# Altium PCB UmTRXv2.PcbDoc (part 9 of 25) (continued)
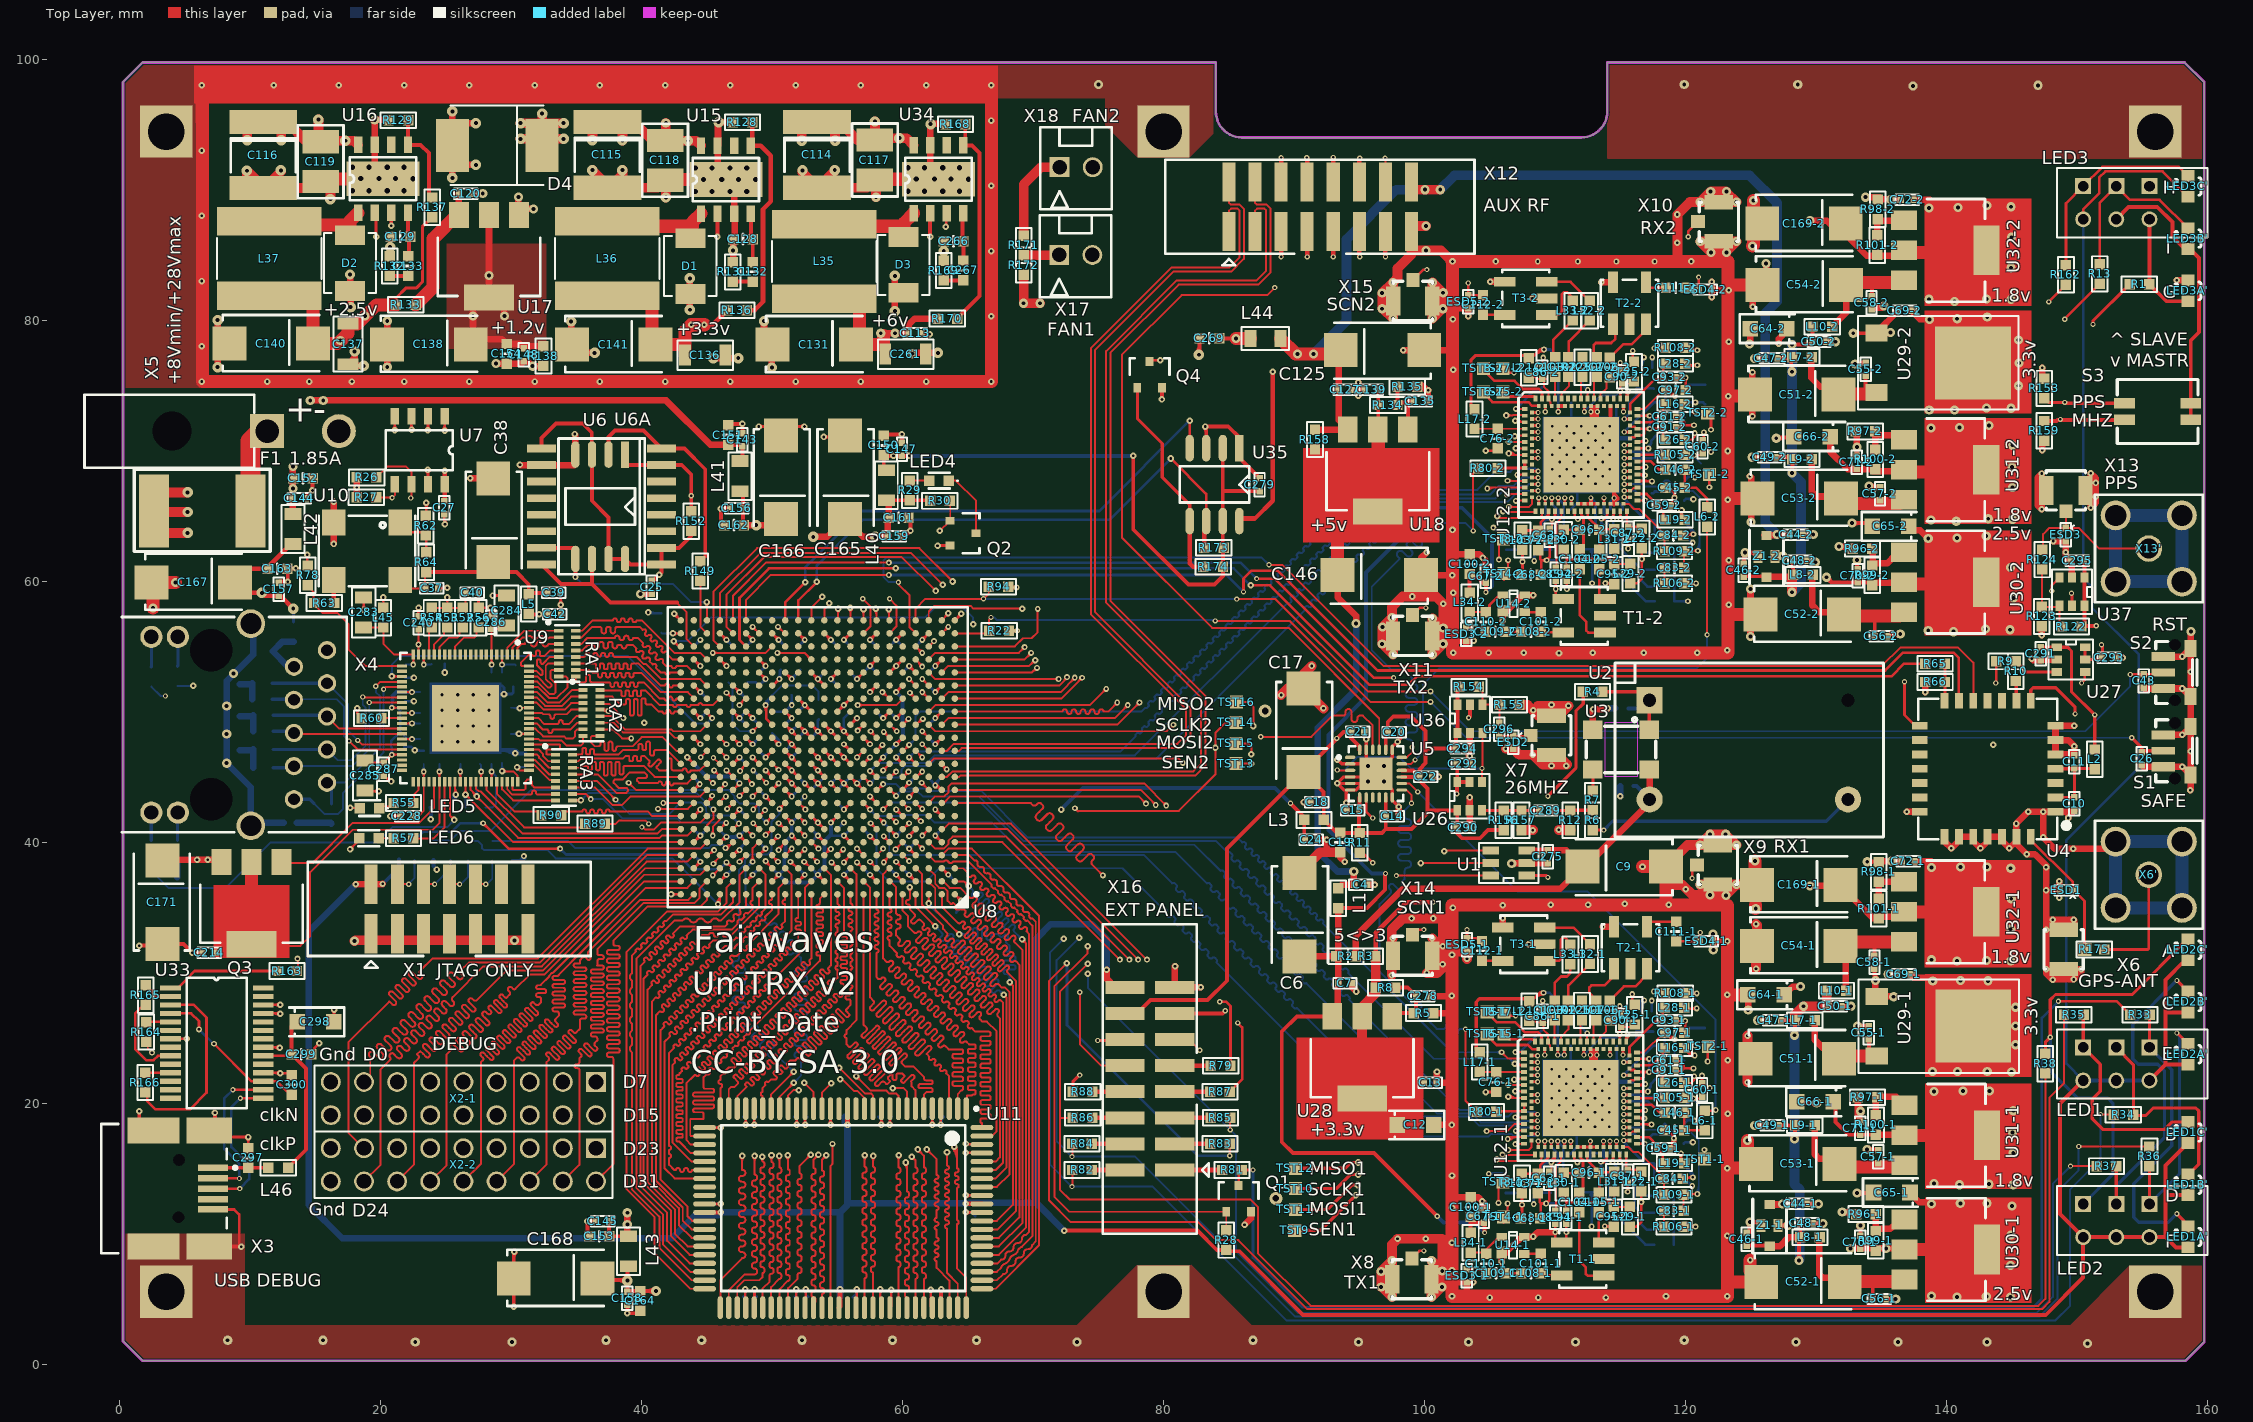
[diagram p0: Top Layer view]
## Nets (pads, with @x,y where several pads share a name; then routed paths per layer and width w, separated by ;. In a path a pad name is that pad's centre, name@x,y a point inside that pad or via, vN(x,y) a via of type N, cw(c..) or ccw(c..) an arc to the next point about the centre after c; other vN are vias at no path point) (continued)
ccw(c42.997,57.494) 42.749,57.251 ; v1@42.65,57.498 ccw(c42.997,57.494) 42.749,57.251 ; v1@42.65,57.498 ccw(c42.997,57.494) 42.749,57.251 ; v1@42.65,57.497 ccw(c42.992,57.492) 42.75,57.25 ; v1@42.65,57.497 ccw(c42.991,57.491) 42.75,57.25 ; v1@42.65,57.498 ccw(c42.997,57.494) 42.749,57.251 ; v1@42.65,57.498 ccw(c42.997,57.494) 42.749,57.251 ; v1@42.65,57.499 ccw(c43.002,57.496) 42.756,57.244 ; v1@42.65,57.499 ccw(c43.002,57.496) 42.756,57.244 ; v1@42.65,57.499 ccw(c43.002,57.496) 42.756,57.244 ; v1@42.65,57.5 ccw(c43.012,57.5) 42.756,57.244 ; v1@42.65,57.5 ccw(c43.012,57.5) 42.756,57.244 ; v1@42.65,57.5 ccw(c43.012,57.5) 42.756,57.244 ; v1@42.65,57.5 ccw(c43.012,57.5) 42.756,57.244 ; v1@42.65,57.5 ccw(c43.012,57.5) 42.756,57.244 ; 44.237,44.237 cw(c44.45,44.023) 44.45,44.325 ccw(c44.45,44.023) 44.237,44.237 ; 44.237,44.237 ccw(c44.023,44.45) 44.325,44.45 cw(c44.023,44.45) 44.237,44.237 ; 44.287,40.287 cw(c44.5,40.073) 44.5,40.375 ccw(c44.5,40.073) 44.287,40.287 ; 44.287,40.287 ccw(c44.073,40.5) 44.375,40.5 cw(c44.073,40.5) 44.287,40.287 ; 44.287,47.713 ccw(c44.5,47.927) 44.5,47.625 cw(c44.5,47.927) 44.287,47.713 ; 44.287,47.713 cw(c44.073,47.5) 44.375,47.5 ccw(c44.073,47.5) 44.287,47.713 ; 44.287,51.713 ccw(c44.5,51.927) 44.5,51.625 cw(c44.5,51.927) 44.287,51.713 ; 44.287,51.713 cw(c44.073,51.5) 44.375,51.5 ccw(c44.073,51.5) 44.287,51.713 ; 45.713,12.275 ccw(c45.713,12.637) v1@45.969,12.381 ; 45.713,12.275 ccw(c45.713,12.637) v1@45.969,12.381 ; 45.713,12.275 cw(c45.713,11.913) v1@45.969,12.169 ; 45.713,12.275 ccw(c45.713,12.637) v1@45.969,12.381 ; 45.713,12.275 cw(c45.713,11.913) v1@45.969,12.169 ; 45.713,12.275 cw(c45.713,11.913) v1@45.969,12.169 ; 45.713,18.125 ccw(c45.713,18.487) v1@45.969,18.231 ; 45.713,18.125 cw(c45.713,17.763) v1@45.969,18.019 ; 45.713,18.125 cw(c45.713,17.763) v1@45.969,18.019 ; 45.713,18.125 cw(c45.713,17.763) v1@45.969,18.019 ; 45.713,18.125 ccw(c45.713,18.487) v1@45.969,18.231 ; 45.713,18.125 ccw(c45.713,18.487) v1@45.969,18.231 ; 46.287,53.713 ccw(c46.5,53.927) 46.5,53.625 cw(c46.5,53.927) 46.287,53.713 ; 46.287,53.713 cw(c46.073,53.5) 46.375,53.5 ccw(c46.073,53.5) 46.287,53.713 ; 47.287,42.287 cw(c47.5,42.073) 47.5,42.375 ccw(c47.5,42.073) 47.287,42.287 ; 47.287,42.287 ccw(c47.073,42.5) 47.375,42.5 cw(c47.073,42.5) 47.287,42.287 ; 47.287,46.287 ccw(c47.073,46.5) 47.375,46.5 cw(c47.073,46.5) 47.287,46.287 ; 47.287,46.287 cw(c47.5,46.073) 47.5,46.375 ccw(c47.5,46.073) 47.287,46.287 ; 47.287,49.713 ccw(c47.5,49.927) 47.5,49.625 cw(c47.5,49.927) 47.287,49.713 ; 47.287,49.713 cw(c47.073,49.5) 47.375,49.5 ccw(c47.073,49.5) 47.287,49.713 ; 48.287,37.287 cw(c48.5,37.073) 48.5,37.375 ccw(c48.5,37.073) 48.287,37.287 ; 48.287,37.287 ccw(c48.073,37.5) 48.375,37.5 cw(c48.073,37.5) 48.287,37.287 ; 48.287,47.713 ccw(c48.5,47.927) 48.5,47.625 cw(c48.5,47.927) 48.287,47.713 ; 48.287,47.713 cw(c48.073,47.5) 48.375,47.5 ccw(c48.073,47.5) 48.287,47.713 ; 48.287,55.713 cw(c48.073,55.5) 48.375,55.5 ccw(c48.073,55.5) 48.287,55.713 ; 48.287,55.713 ccw(c48.5,55.927) 48.5,55.625 cw(c48.5,55.927) 48.287,55.713 ; v1@48.519,18.431 ccw(c48.263,18.687) 48.625,18.687 ; v1@48.519,18.431 ccw(c48.263,18.687) 48.625,18.687 ; v1@48.519,18.431 ccw(c48.263,18.687) 48.625,18.687 ; 48.625,18.687 ccw(c48.987,18.687) v1@48.731,18.431 ; 48.625,18.687 ccw(c48.987,18.687) v1@48.731,18.431 ; 48.625,18.687 ccw(c48.987,18.687) v1@48.731,18.431 ; v1@49.081,71.744 cw(c49.337,71.488) 49.337,71.85 ; v1@49.081,71.744 cw(c49.337,71.488) 49.337,71.85 ; v1@49.081,71.744 cw(c49.337,71.488) 49.337,71.85 ; v1@49.081,71.956 ccw(c49.337,72.212) 49.337,71.85 ; v1@49.081,71.956 ccw(c49.337,72.212) 49.337,71.85 ; v1@49.081,71.956 ccw(c49.337,72.212) 49.337,71.85 ; 49.287,53.713 ccw(c49.5,53.927) 49.5,53.625 cw(c49.5,53.927) 49.287,53.713 ; 49.287,53.713 cw(c49.073,53.5) 49.375,53.5 ccw(c49.073,53.5) 49.287,53.713 ; 50.237,40.237 ccw(c50.023,40.45) 50.325,40.45 cw(c50.023,40.45) 50.237,40.237 ; 50.237,40.237 cw(c50.45,40.023) 50.45,40.325 ccw(c50.45,40.023) 50.237,40.237 ; 50.287,44.287 cw(c50.5,44.073) 50.5,44.375 ccw(c50.5,44.073) 50.287,44.287 ; 50.287,44.287 ccw(c50.073,44.5) 50.375,44.5 cw(c50.073,44.5) 50.287,44.287 ; 51.287,44.713 ccw(c51.5,44.927) 51.5,44.625 cw(c51.5,44.927) 51.287,44.713 ; 51.287,44.713 cw(c51.073,44.5) 51.375,44.5 ccw(c51.073,44.5) 51.287,44.713 ; 51.287,46.713 ccw(c51.5,46.927) 51.5,46.625 cw(c51.5,46.927) 51.287,46.713 ; 51.287,46.713 cw(c51.073,46.5) 51.375,46.5 ccw(c51.073,46.5) 51.287,46.713 ; 51.287,48.713 ccw(c51.5,48.927) 51.5,48.625 cw(c51.5,48.927) 51.287,48.713 ; 51.287,48.713 cw(c51.073,48.5) 51.375,48.5 ccw(c51.073,48.5) 51.287,48.713 ; 51.287,52.713 ccw(c51.5,52.927) 51.5,52.625 cw(c51.5,52.927) 51.287,52.713 ; 51.287,52.713 cw(c51.073,52.5) 51.375,52.5 ccw(c51.073,52.5) 51.287,52.713 ; 51.713,44.287 cw(c51.927,44.5) 51.625,44.5 ccw(c51.927,44.5) 51.713,44.287 ; 51.713,44.287 ccw(c51.5,44.073) 51.5,44.375 cw(c51.5,44.073) 51.713,44.287 ; 51.713,46.287 ccw(c51.5,46.073) 51.5,46.375 cw(c51.5,46.073) 51.713,46.287 ; 51.713,46.287 cw(c51.927,46.5) 51.625,46.5 ccw(c51.927,46.5) 51.713,46.287 ; 51.713,48.287 cw(c51.927,48.5) 51.625,48.5 ccw(c51.927,48.5) 51.713,48.287 ; 51.713,48.287 ccw(c51.5,48.073) 51.5,48.375 cw(c51.5,48.073) 51.713,48.287 ; v1@51.769,18.431 ccw(c51.513,18.687) 51.875,18.687 ; v1@51.769,18.431 ccw(c51.513,18.687) 51.875,18.687 ; v1@51.769,18.431 ccw(c51.513,18.687) 51.875,18.687 ; 51.875,18.687 ccw(c52.237,18.687) v1@51.981,18.431 ; 51.875,18.687 ccw(c52.237,18.687) v1@51.981,18.431 ; 51.875,18.687 ccw(c52.237,18.687) v1@51.981,18.431 ; 52.113,71.85 ccw(c52.113,72.212) v1@52.369,71.956 ; 52.113,71.85 ccw(c52.113,72.212) v1@52.369,71.956 ; 52.113,71.85 ccw(c52.113,72.212) v1@52.369,71.956 ; 52.113,71.85 cw(c52.113,71.488) v1@52.369,71.744 ; 52.113,71.85 cw(c52.113,71.488) v1@52.369,71.744 ; 52.113,71.85 cw(c52.113,71.488) v1@52.369,71.744 ; 52.287,37.287 cw(c52.5,37.073) 52.5,37.375 ccw(c52.5,37.073) 52.287,37.287 ; 52.287,37.287 ccw(c52.073,37.5) 52.375,37.5 cw(c52.073,37.5) 52.287,37.287 ; 52.287,55.713 ccw(c52.5,55.927) 52.5,55.625 cw(c52.5,55.927) 52.287,55.713 ; 52.287,55.713 cw(c52.073,55.5) 52.375,55.5 ccw(c52.073,55.5) 52.287,55.713 ; 53.287,44.713 cw(c53.073,44.5) 53.375,44.5 ccw(c53.073,44.5) 53.287,44.713 ; 53.287,44.713 ccw(c53.5,44.927) 53.5,44.625 cw(c53.5,44.927) 53.287,44.713 ; 53.287,46.713 ccw(c53.5,46.927) 53.5,46.625 cw(c53.5,46.927) 53.287,46.713 ; 53.287,46.713 cw(c53.073,46.5) 53.375,46.5 ccw(c53.073,46.5) 53.287,46.713 ; 53.287,48.713 ccw(c53.5,48.927) 53.5,48.625 cw(c53.5,48.927) 53.287,48.713 ; 53.287,48.713 cw(c53.073,48.5) 53.375,48.5 ccw(c53.073,48.5) 53.287,48.713 ; 53.713,40.287 cw(c53.927,40.5) 53.625,40.5 ccw(c53.927,40.5) 53.713,40.287 ; 53.713,40.287 ccw(c53.5,40.073) 53.5,40.375 cw(c53.5,40.073) 53.713,40.287 ; 53.713,44.287 cw(c53.927,44.5) 53.625,44.5 ccw(c53.927,44.5) 53.713,44.287 ; 53.713,44.287 ccw(c53.5,44.073) 53.5,44.375 cw(c53.5,44.073) 53.713,44.287 ; 53.713,46.287 cw(c53.927,46.5) 53.625,46.5 ccw(c53.927,46.5) 53.713,46.287 ; 53.713,46.287 ccw(c53.5,46.073) 53.5,46.375 cw(c53.5,46.073) 53.713,46.287 ; 53.713,48.287 cw(c53.927,48.5) 53.625,48.5 ccw(c53.927,48.5) 53.713,48.287 ; 53.713,48.287 ccw(c53.5,48.073) 53.5,48.375 cw(c53.5,48.073) 53.713,48.287 ; v1@54.056,70.944 cw(c54.312,70.688) C165.2@54.312,71.05 ; v1@54.056,70.944 cw(c54.312,70.688) C165.2@54.312,71.05 ; v1@54.056,70.944 cw(c54.312,70.688) C165.2@54.312,71.05 ; v1@54.056,71.156 ccw(c54.312,71.412) C165.2@54.312,71.05 ; v1@54.056,71.156 ccw(c54.312,71.412) C165.2@54.312,71.05 ; v1@54.056,71.156 ccw(c54.312,71.412) C165.2@54.312,71.05 ; v1@54.369,18.431 ccw(c54.113,18.687) 54.475,18.687 ; v1@54.369,18.431 ccw(c54.113,18.687) 54.475,18.687 ; v1@54.369,18.431 ccw(c54.113,18.687) 54.475,18.687 ; 54.475,18.687 ccw(c54.837,18.687) v1@54.581,18.431 ; 54.475,18.687 ccw(c54.837,18.687) v1@54.581,18.431 ; 54.475,18.687 ccw(c54.837,18.687) v1@54.581,18.431 ; 54.713,52.713 ccw(c54.927,52.5) 54.625,52.5 cw(c54.927,52.5) 54.713,52.713 ; 54.713,52.713 cw(c54.5,52.927) 54.5,52.625 ccw(c54.5,52.927) 54.713,52.713 ; 55.287,44.713 ccw(c55.5,44.927) 55.5,44.625 cw(c55.5,44.927) 55.287,44.713 ; 55.287,44.713 cw(c55.073,44.5) 55.375,44.5 ccw(c55.073,44.5) 55.287,44.713 ; 55.287,46.713 ccw(c55.5,46.927) 55.5,46.625 cw(c55.5,46.927) 55.287,46.713 ; 55.287,46.713 cw(c55.073,46.5) 55.375,46.5 ccw(c55.073,46.5) 55.287,46.713 ; 55.287,48.713 ccw(c55.5,48.927) 55.5,48.625 cw(c55.5,48.927) 55.287,48.713 ; 55.287,48.713 cw(c55.073,48.5) 55.375,48.5 ccw(c55.073,48.5) 55.287,48.713 ; 55.713,37.287 cw(c55.927,37.5) 55.625,37.5 ccw(c55.927,37.5) 55.713,37.287 ; 55.713,37.287 ccw(c55.5,37.073) 55.5,37.375 cw(c55.5,37.073) 55.713,37.287 ; 55.713,44.287 cw(c55.927,44.5) 55.625,44.5 ccw(c55.927,44.5) 55.713,44.287 ; 55.713,44.287 ccw(c55.5,44.073) 55.5,44.375 cw(c55.5,44.073) 55.713,44.287 ; 55.713,46.287 cw(c55.927,46.5) 55.625,46.5 ccw(c55.927,46.5) 55.713,46.287 ; 55.713,46.287 ccw(c55.5,46.073) 55.5,46.375 cw(c55.5,46.073) 55.713,46.287 ; 55.713,48.287 cw(c55.927,48.5) 55.625,48.5 ccw(c55.927,48.5) 55.713,48.287 ; 55.713,48.287 ccw(c55.5,48.073) 55.5,48.375 cw(c55.5,48.073) 55.713,48.287 ; 55.713,55.713 ccw(c55.927,55.5) 55.625,55.5 cw(c55.927,55.5) 55.713,55.713 ; 55.713,55.713 cw(c55.5,55.927) 55.5,55.625 ccw(c55.5,55.927) 55.713,55.713 ; 57.713,43.287 cw(c57.927,43.5) 57.625,43.5 ccw(c57.927,43.5) 57.713,43.287 ; 57.713,43.287 ccw(c57.5,43.073) 57.5,43.375 cw(c57.5,43.073) 57.713,43.287 ; 57.713,51.713 cw(c57.5,51.927) 57.5,51.625 ccw(c57.5,51.927) 57.713,51.713 ; 57.713,51.713 ccw(c57.927,51.5) 57.625,51.5 cw(c57.927,51.5) 57.713,51.713 ; 57.713,53.713 ccw(c57.927,53.5) 57.625,53.5 cw(c57.927,53.5) 57.713,53.713 ; 57.713,53.713 cw(c57.5,53.927) 57.5,53.625 ccw(c57.5,53.927) 57.713,53.713 ; v1@58.919,18.431 ccw(c58.663,18.687) 59.025,18.687 ; v1@58.919,18.431 ccw(c58.663,18.687) 59.025,18.687 ; v1@58.919,18.431 ccw(c58.663,18.687) 59.025,18.687 ; 59.025,18.687 ccw(c59.387,18.687) v1@59.131,18.431 ; 59.025,18.687 ccw(c59.387,18.687) v1@59.131,18.431 ; 59.025,18.687 ccw(c59.387,18.687) v1@59.131,18.431 ; 59.713,37.287 cw(c59.927,37.5) 59.625,37.5 ccw(c59.927,37.5) 59.713,37.287 ; 59.713,37.287 ccw(c59.5,37.073) 59.5,37.375 cw(c59.5,37.073) 59.713,37.287 ; 59.713,42.287 cw(c59.927,42.5) 59.625,42.5 ccw(c59.927,42.5) 59.713,42.287 ; 59.713,42.287 ccw(c59.5,42.073) 59.5,42.375 cw(c59.5,42.073) 59.713,42.287 ; 59.713,46.287 ccw(c59.5,46.073) 59.5,46.375 cw(c59.5,46.073) 59.713,46.287 ; 59.713,46.287 cw(c59.927,46.5) 59.625,46.5 ccw(c59.927,46.5) 59.713,46.287 ; 59.713,49.713 cw(c59.5,49.927) 59.5,49.625 ccw(c59.5,49.927) 59.713,49.713 ; 59.713,49.713 ccw(c59.927,49.5) 59.625,49.5 cw(c59.927,49.5) 59.713,49.713 ; 59.713,55.713 cw(c59.5,55.927) 59.5,55.625 ccw(c59.5,55.927) 59.713,55.713 ; 59.713,55.713 ccw(c59.927,55.5) 59.625,55.5 cw(c59.927,55.5) 59.713,55.713 ; 60.713,39.287 cw(c60.927,39.5) 60.625,39.5 ccw(c60.927,39.5) 60.713,39.287 ; 60.713,39.287 ccw(c60.5,39.073) 60.5,39.375 cw(c60.5,39.073) 60.713,39.287 ; 60.713,53.287 cw(c60.927,53.5) 60.625,53.5 ccw(c60.927,53.5) 60.713,53.287 ; 60.713,53.287 ccw(c60.5,53.073) 60.5,53.375 cw(c60.5,53.073) 60.713,53.287 ; v1@62.169,18.431 ccw(c61.913,18.687) 62.275,18.687 ; v1@62.169,18.431 ccw(c61.913,18.687) 62.275,18.687 ; v1@62.169,18.431 ccw(c61.913,18.687) 62.275,18.687 ; 62.275,18.687 ccw(c62.637,18.687) v1@62.381,18.431 ; 62.275,18.687 ccw(c62.637,18.687) v1@62.381,18.431 ; 62.275,18.687 ccw(c62.637,18.687) v1@62.381,18.431 ; 62.713,40.287 cw(c62.927,40.5) 62.625,40.5 ccw(c62.927,40.5) 62.713,40.287 ; 62.713,40.287 ccw(c62.5,40.073) 62.5,40.375 cw(c62.5,40.073) 62.713,40.287 ; 62.713,47.713 cw(c62.5,47.927) 62.5,47.625 ccw(c62.5,47.927) 62.713,47.713 ; 62.713,47.713 ccw(c62.927,47.5) 62.625,47.5 cw(c62.927,47.5) 62.713,47.713 ; 62.713,51.713 cw(c62.5,51.927) 62.5,51.625 ccw(c62.5,51.927) 62.713,51.713 ; 62.713,51.713 ccw(c62.927,51.5) 62.625,51.5 cw(c62.927,51.5) 62.713,51.713 ; 64.244,35.756 ccw(c64.5,36.012) v1@64.5,35.65 ; 64.244,35.756 ccw(c64.5,36.012) v1@64.5,35.65 ; 64.244,35.756 ccw(c64.5,36.012) v1@64.5,35.65 ; 64.244,35.756 ccw(c64.5,36.012) v1@64.5,35.65 ; 64.244,35.756 ccw(c64.496,36.002) v1@64.499,35.65 ; 64.244,35.756 ccw(c64.496,36.002) v1@64.499,35.65 ; 64.244,35.756 ccw(c64.496,36.002) v1@64.499,35.65 ; 64.244,35.756 cw(c63.988,35.5) v1@64.35,35.5 ; 64.244,35.756 cw(c63.988,35.5) v1@64.35,35.5 ; 64.244,35.756 cw(c63.988,35.5) v1@64.35,35.5 ; 64.244,35.756 cw(c63.998,35.504) v1@64.35,35.501 ; 64.244,35.756 cw(c63.998,35.504) v1@64.35,35.501 ; 64.244,35.756 cw(c63.998,35.504) v1@64.35,35.501 ; 64.244,35.756 cw(c63.988,35.5) v1@64.35,35.5 ; 64.244,57.244 ccw(c63.988,57.5) v1@64.35,57.5 ; 64.244,57.244 ccw(c63.988,57.5) v1@64.35,57.5 ; 64.244,57.244 cw(c64.5,56.988) v1@64.5,57.35 ; 64.244,57.244 cw(c64.5,56.988) v1@64.5,57.35 ; 64.244,57.244 cw(c64.5,56.988) v1@64.5,57.35 ; 64.244,57.244 cw(c64.5,56.988) v1@64.5,57.35 ; 64.244,57.244 ccw(c63.988,57.5) v1@64.35,57.5 ; 64.244,57.244 ccw(c63.998,57.496) v1@64.35,57.499 ; 64.244,57.244 cw(c64.5,56.988) v1@64.5,57.35 ; 64.244,57.244 ccw(c63.988,57.5) v1@64.35,57.5 ; 64.244,57.244 ccw(c63.988,57.5) v1@64.35,57.5 ; 64.244,57.244 cw(c64.496,56.998) v1@64.499,57.35 ; 64.244,57.244 cw(c64.496,56.998) v1@64.499,57.35 ; 64.244,57.244 cw(c64.496,56.998) v1@64.499,57.35 ; 64.244,57.244 ccw(c63.998,57.496) v1@64.35,57.499 ; 64.244,57.244 ccw(c63.998,57.496) v1@64.35,57.499 ; 64.25,35.75 ccw(c64.492,35.992) 64.497,35.65 cw(c64.491,35.991) 64.25,35.75 ; 64.25,35.75 cw(c64.019,35.513) v1@64.35,35.504 ; 64.25,35.75 cw(c64.018,35.512) v1@64.35,35.504 ; 64.25,35.75 cw(c64.018,35.512) v1@64.35,35.504 ; 64.25,35.75 cw(c64.009,35.509) 64.35,35.503 ccw(c64.008,35.508) 64.25,35.75 ; 64.25,35.75 ccw(c64.488,35.982) v1@64.496,35.65 ; 64.25,35.75 ccw(c64.488,35.982) v1@64.496,35.65 ; 64.25,35.75 ccw(c64.488,35.982) v1@64.496,35.65 ; 64.25,35.75 ccw(c64.484,35.973) 64.495,35.65 cw(c64.484,35.973) 64.25,35.75 ; 64.25,35.75 cw(c64.019,35.513) v1@64.35,35.504 ; 64.25,35.75 cw(c64.018,35.512) v1@64.35,35.504 ; 64.25,57.25 ccw(c64.009,57.491) v1@64.35,57.497 ; 64.25,57.25 cw(c64.491,57.009) 64.497,57.35 ccw(c64.492,57.008) 64.25,57.25 ; 64.25,57.25 ccw(c64.008,57.492) v1@64.35,57.497 ; 64.25,57.25 ccw(c64.018,57.488) v1@64.35,57.496 ; 64.25,57.25 cw(c64.487,57.019) v1@64.496,57.35 ; 64.25,57.25 cw(c64.488,57.018) v1@64.496,57.35 ; 64.25,57.25 ccw(c64.018,57.488) v1@64.35,57.496 ; 64.25,57.25 ccw(c64.018,57.488) v1@64.35,57.496 ; 64.25,57.25 cw(c64.488,57.018) v1@64.496,57.35 ; 64.25,57.25 cw(c64.487,57.019) v1@64.496,57.35 ; 64.25,57.25 cw(c64.488,57.018) v1@64.496,57.35 ; 64.25,57.25 ccw(c64.027,57.484) 64.35,57.495 cw(c64.027,57.484) 64.25,57.25 ; 64.251,35.749 ccw(c64.494,35.998) v1@64.498,35.65 ; 64.251,35.749 ccw(c64.494,35.998) v1@64.498,35.65 ; 64.251,35.749 ccw(c64.494,35.998) v1@64.498,35.65 ; 64.251,35.749 ccw(c64.494,35.998) v1@64.498,35.65 ; 64.251,35.749 ccw(c64.494,35.998) v1@64.498,35.65 ; 64.251,35.749 ccw(c64.494,35.998) v1@64.498,35.65 ; 64.251,35.749 cw(c64.003,35.506) v1@64.35,35.502 ; 64.251,35.749 cw(c64.003,35.506) v1@64.35,35.502 ; 64.251,35.749 cw(c64.003,35.506) v1@64.35,35.502 ; 64.251,35.749 cw(c64.003,35.506) v1@64.35,35.502 ; 64.251,35.749 cw(c64.003,35.506) v1@64.35,35.502 ; 64.251,35.749 cw(c64.003,35.506) v1@64.35,35.502 ; 64.251,57.251 ccw(c64.002,57.494) v1@64.35,57.498 ; 64.251,57.251 ccw(c64.002,57.494) v1@64.35,57.498 ; 64.251,57.251 ccw(c64.002,57.494) v1@64.35,57.498 ; 64.251,57.251 ccw(c64.002,57.494) v1@64.35,57.498 ; 64.251,57.251 ccw(c64.002,57.494) v1@64.35,57.498 ; 64.251,57.251 ccw(c64.002,57.494) v1@64.35,57.498 ; 64.251,57.251 cw(c64.494,57.003) v1@64.498,57.35 ; 64.251,57.251 cw(c64.494,57.003) v1@64.498,57.35 ; 64.251,57.251 cw(c64.494,57.003) v1@64.498,57.35 ; 64.251,57.251 cw(c64.494,57.003) v1@64.498,57.35 ; 64.251,57.251 cw(c64.494,57.003) v1@64.498,57.35 ; 64.251,57.251 cw(c64.494,57.003) v1@64.498,57.35 ; v1@64.35,35.5 ccw(c63.988,35.5) 64.244,35.756 ccw(c64.5,36.012) v1@64.5,35.65 ; v1@64.35,35.504 ccw(c64.019,35.512) 64.259,35.74 cw(c64.019,35.512) v1@64.35,35.504 ; v1@64.35,57.498 cw(c64.005,57.493) 64.252,57.252 ccw(c64.005,57.493) v1@64.35,57.498 ; v1@64.496,57.35 ccw(c64.488,57.019) 64.26,57.259 cw(c64.488,57.019) v1@64.496,57.35 ; v1@64.498,35.65 cw(c64.493,35.995) 64.252,35.748 ccw(c64.493,35.995) v1@64.498,35.65 ; v1@64.931,11.519 cw(c65.187,11.263) 65.187,11.625 ; v1@64.931,11.519 cw(c65.187,11.263) 65.187,11.625 ; v1@64.931,11.519 cw(c65.187,11.263) 65.187,11.625 ; v1@64.931,11.731 ccw(c65.187,11.987) 65.187,11.625 ; v1@64.931,11.731 ccw(c65.187,11.987) 65.187,11.625 ; v1@64.931,11.731 ccw(c65.187,11.987) 65.187,11.625 ; v1@64.931,12.819 cw(c65.187,12.563) 65.187,12.925 ; v1@64.931,12.819 cw(c65.187,12.563) 65.187,12.925 ; v1@64.931,12.819 cw(c65.187,12.563) 65.187,12.925 ; v1@64.931,13.031 ccw(c65.187,13.287) 65.187,12.925 ; v1@64.931,13.031 ccw(c65.187,13.287) 65.187,12.925 ; v1@64.931,13.031 ccw(c65.187,13.287) 65.187,12.925 ; v2@108.969,27.75 cw(c108.755,27.536) 109.057,27.536 ; v2@108.969,27.75 cw(c108.755,27.536) 109.057,27.536 ; v2@108.969,27.75 cw(c108.755,27.536) 109.057,27.536 ; v2@109.008,77.041 cw(c108.794,76.828) 109.096,76.828 ; v2@109.008,77.041 cw(c108.794,76.828) 109.096,76.828 ; v2@109.008,77.041 cw(c108.794,76.828) 109.096,76.828 ; 109.009,12.308 ccw(c109.009,12.61) v2@109.223,12.397 ; 109.009,12.308 cw(c109.009,12.006) v2@109.223,12.22 ; 109.009,12.308 ccw(c109.009,12.61) v2@109.223,12.397 ; 109.009,12.308 cw(c109.009,12.006) v2@109.223,12.22 ; 109.009,12.308 ccw(c109.009,12.61) v2@109.223,12.397 ; 109.009,12.308 cw(c109.009,12.006) v2@109.223,12.22 ; 109.048,61.6 ccw(c109.048,61.902) v2@109.262,61.688 ; 109.048,61.6 ccw(c109.048,61.902) v2@109.262,61.688 ; 109.048,61.6 ccw(c109.048,61.902) v2@109.262,61.688 ; 109.048,61.6 cw(c109.048,61.298) v2@109.262,61.512 ; 109.048,61.6 cw(c109.048,61.298) v2@109.262,61.512 ; 109.048,61.6 cw(c109.048,61.298) v2@109.262,61.512 ; 109.057,27.536 cw(c109.359,27.536) v2@109.145,27.75 ; 109.057,27.536 cw(c109.359,27.536) v2@109.145,27.75 ; 109.057,27.536 cw(c109.359,27.536) v2@109.145,27.75 ; 109.096,76.828 cw(c109.398,76.828) v2@109.184,77.041 ; 109.096,76.828 cw(c109.398,76.828) v2@109.184,77.041 ; 109.096,76.828 cw(c109.398,76.828) v2@109.184,77.041 ; v2@109.311,12.433 ccw(c109.311,12.735) 109.524,12.522 ; v2@109.311,12.433 ccw(c109.311,12.735) 109.524,12.522 ; v2@109.311,12.433 ccw(c109.311,12.735) 109.524,12.522 ; v2@109.35,61.725 ccw(c109.35,62.027) 109.563,61.813 ; v2@109.35,61.725 ccw(c109.35,62.027) 109.563,61.813 ; v2@109.35,61.725 ccw(c109.35,62.027) 109.563,61.813 ; v2@109.436,12.308 cw(c109.738,12.308) 109.524,12.522 ; v2@109.436,12.308 cw(c109.738,12.308) 109.524,12.522 ; v2@109.436,12.308 cw(c109.738,12.308) 109.524,12.522 ; v2@109.475,61.6 cw(c109.777,61.6) 109.563,61.813 ; v2@109.475,61.6 cw(c109.777,61.6) 109.563,61.813 ; v2@109.475,61.6 cw(c109.777,61.6) 109.563,61.813 ; v2@109.923,10.02 cw(c109.709,9.806) 110.011,9.806 ; v2@109.923,10.02 cw(c109.709,9.806) 110.011,9.806 ; v2@109.923,10.02 cw(c109.709,9.806) 110.011,9.806 ; v2@109.923,10.197 ccw(c109.719,10.4) 110.007,10.4 ; v2@109.923,10.197 ccw(c109.719,10.4) 110.007,10.4 ; v2@109.923,10.197 ccw(c109.719,10.4) 110.007,10.4 ; v2@109.962,59.312 cw(c109.748,59.098) 110.05,59.098 ; v2@109.962,59.312 cw(c109.748,59.098) 110.05,59.098 ; v2@109.962,59.312 cw(c109.748,59.098) 110.05,59.098 ; v2@109.962,59.488 ccw(c109.758,59.692) 110.046,59.692 ; v2@109.962,59.488 ccw(c109.758,59.692) 110.046,59.692 ; v2@109.962,59.488 ccw(c109.758,59.692) 110.046,59.692 ; 110.007,10.42 ccw(c110.323,10.42) v2@110.099,10.197 ; 110.007,10.42 ccw(c110.323,10.42) v2@110.099,10.197 ; 110.007,10.42 ccw(c110.323,10.42) v2@110.099,10.197 ; 110.011,9.806 cw(c110.313,9.806) v2@110.099,10.02 ; 110.011,9.806 cw(c110.313,9.806) v2@110.099,10.02 ; 110.011,9.806 cw(c110.313,9.806) v2@110.099,10.02 ; 110.046,59.712 ccw(c110.362,59.712) v2@110.138,59.488 ; 110.046,59.712 ccw(c110.362,59.712) v2@110.138,59.488 ; 110.046,59.712 ccw(c110.362,59.712) v2@110.138,59.488 ; 110.05,59.098 cw(c110.352,59.098) v2@110.138,59.312 ; 110.05,59.098 cw(c110.352,59.098) v2@110.138,59.312 ; 110.05,59.098 cw(c110.352,59.098) v2@110.138,59.312 ; v2@110.773,10.197 ccw(c110.569,10.4) 110.857,10.4 ; v2@110.773,10.197 ccw(c110.569,10.4) 110.857,10.4 ; v2@110.773,10.197 ccw(c110.569,10.4) 110.857,10.4 ; v2@110.812,59.488 ccw(c110.608,59.692) 110.896,59.692 ; v2@110.812,59.488 ccw(c110.608,59.692) 110.896,59.692 ; v2@110.812,59.488 ccw(c110.608,59.692) 110.896,59.692 ; 110.857,10.42 ccw(c111.173,10.42) v2@110.949,10.197 ; 110.857,10.42 ccw(c111.173,10.42) v2@110.949,10.197 ; 110.857,10.42 ccw(c111.173,10.42) v2@110.949,10.197 ; 110.896,59.712 ccw(c111.212,59.712) v2@110.988,59.488 ; 110.896,59.712 ccw(c111.212,59.712) v2@110.988,59.488 ; 110.896,59.712 ccw(c111.212,59.712) v2@110.988,59.488 ; v4@112.636,23.759 ccw(c112.466,23.93) 112.707,23.93 ; v4@112.636,23.759 ccw(c112.466,23.93) 112.707,23.93 ; v4@112.636,23.759 ccw(c112.466,23.93) 112.707,23.93 ; 112.707,23.93 ccw(c112.948,23.93) v4@112.778,23.759 ; 112.707,23.93 ccw(c112.948,23.93) v4@112.778,23.759 ; 112.707,23.93 ccw(c112.948,23.93) v4@112.778,23.759 ; v4@113.136,23.759 ccw(c112.966,23.93) 113.207,23.93 ; v4@113.136,23.759 ccw(c112.966,23.93) 113.207,23.93 ; v4@113.136,23.759 ccw(c112.966,23.93) 113.207,23.93 ; 113.207,23.93 ccw(c113.448,23.93) v4@113.278,23.759 ; 113.207,23.93 ccw(c113.448,23.93) v4@113.278,23.759 ; 113.207,23.93 ccw(c113.448,23.93) v4@113.278,23.759 ; v2@113.899,10.47 cw(c114.064,10.305) 114.064,10.538 ; v2@113.899,10.47 cw(c114.064,10.305) 114.064,10.538 ; v2@113.899,10.47 cw(c114.064,10.305) 114.064,10.538 ; v2@113.899,10.647 ccw(c114.162,10.909) C95-1.2@114.162,10.538 ; v2@113.899,10.647 ccw(c114.162,10.909) C95-1.2@114.162,10.538 ; v2@113.899,10.647 ccw(c114.162,10.909) C95-1.2@114.162,10.538 ; v2@113.938,59.762 cw(c114.103,59.597) 114.103,59.83 ; v2@113.938,59.762 cw(c114.103,59.597) 114.103,59.83 ; v2@113.938,59.762 cw(c114.103,59.597) 114.103,59.83 ; v2@113.938,59.938 ccw(c114.2,60.2) C95-2.2@114.2,59.83 ; v2@113.938,59.938 ccw(c114.2,60.2) C95-2.2@114.2,59.83 ; v2@113.938,59.938 ccw(c114.2,60.2) C95-2.2@114.2,59.83 ; v4@114.136,17.017 cw(c113.966,16.847) 114.207,16.847 ; v4@114.136,17.017 cw(c113.966,16.847) 114.207,16.847 ; v4@114.136,17.017 cw(c113.966,16.847) 114.207,16.847 ; v4@114.136,23.759 ccw(c113.966,23.93) 114.207,23.93 ; v4@114.136,23.759 ccw(c113.966,23.93) 114.207,23.93 ; v4@114.136,23.759 ccw(c113.966,23.93) 114.207,23.93 ; 114.207,16.847 cw(c114.448,16.847) v4@114.278,17.017 ; 114.207,16.847 cw(c114.448,16.847) v4@114.278,17.017 ; 114.207,16.847 cw(c114.448,16.847) v4@114.278,17.017 ; 114.207,23.93 ccw(c114.448,23.93) v4@114.278,23.759 ; 114.207,23.93 ccw(c114.448,23.93) v4@114.278,23.759 ; 114.207,23.93 ccw(c114.448,23.93) v4@114.278,23.759 ; v4@114.636,17.017 cw(c114.466,16.847) 114.707,16.847 ; v4@114.636,17.017 cw(c114.466,16.847) 114.707,16.847 ; v4@114.636,17.017 cw(c114.466,16.847) 114.707,16.847 ; 114.707,16.847 cw(c114.948,16.847) v4@114.778,17.017 ; 114.707,16.847 cw(c114.948,16.847) v4@114.778,17.017 ; 114.707,16.847 cw(c114.948,16.847) v4@114.778,17.017 ; v2@114.869,27.35 cw(c114.655,27.136) 114.957,27.136 ; v2@114.869,27.35 cw(c114.655,27.136) 114.957,27.136 ; v2@114.869,27.35 cw(c114.655,27.136) 114.957,27.136 ; v2@114.908,76.641 cw(c114.694,76.428) 114.996,76.428 ; v2@114.908,76.641 cw(c114.694,76.428) 114.996,76.428 ; v2@114.908,76.641 cw(c114.694,76.428) 114.996,76.428 ; 114.957,27.136 cw(c115.259,27.136) v2@115.045,27.35 ; 114.957,27.136 cw(c115.259,27.136) v2@115.045,27.35 ; 114.957,27.136 cw(c115.259,27.136) v2@115.045,27.35 ; 114.996,76.428 cw(c115.298,76.428) v2@115.084,76.641 ; 114.996,76.428 cw(c115.298,76.428) v2@115.084,76.641 ; 114.996,76.428 cw(c115.298,76.428) v2@115.084,76.641 ; U12-1.88@115.457,24.704 cw(c116.079,24.704) v2@115.644,25.149 ; U12-1.88@115.457,24.704 cw(c116.079,24.704) v2@115.644,25.149 ; U12-1.88@115.457,24.704 cw(c116.079,24.704) v2@115.644,25.149 ; v2@115.473,13.297 ccw(c115.269,13.5) 115.557,13.5 ; v2@115.473,13.297 ccw(c115.269,13.5) 115.557,13.5 ; v2@115.473,13.297 ccw(c115.269,13.5) 115.557,13.5 ; v2@115.477,25.142 cw(c115.37,25.014) U12-1.88@115.514,24.928 ; v2@115.477,25.142 cw(c115.37,25.014) U12-1.88@115.514,24.928 ; v2@115.477,25.142 cw(c115.37,25.014) U12-1.88@115.514,24.928 ; U12-2.88@115.496,73.995 cw(c116.118,73.995) v2@115.683,74.441 ; U12-2.88@115.496,73.995 cw(c116.118,73.995) v2@115.683,74.441 ; U12-2.88@115.496,73.995 cw(c116.118,73.995) v2@115.683,74.441 ; v2@115.512,62.588 ccw(c115.308,62.792) 115.596,62.792 ; v2@115.512,62.588 ccw(c115.308,62.792) 115.596,62.792 ; v2@115.512,62.588 ccw(c115.308,62.792) 115.596,62.792 ; v2@115.516,74.434 cw(c115.409,74.305) U12-2.88@115.553,74.22 ; v2@115.516,74.434 cw(c115.409,74.305) U12-2.88@115.553,74.22 ; v2@115.516,74.434 cw(c115.409,74.305) U12-2.88@115.553,74.22 ; 115.557,13.52 ccw(c115.873,13.52) v2@115.649,13.297 ; 115.557,13.52 ccw(c115.873,13.52) v2@115.649,13.297 ; 115.557,13.52 ccw(c115.873,13.52) v2@115.649,13.297 ; 115.596,62.812 ccw(c115.912,62.812) v2@115.688,62.588 ; 115.596,62.812 ccw(c115.912,62.812) v2@115.688,62.588 ; 115.596,62.812 ccw(c115.912,62.812) v2@115.688,62.588 ; C59-1.1@118.816,16.527 ccw(c118.375,16.969) 118.988,17.085 ; C59-1.1@118.816,16.527 ccw(c118.375,16.969) 118.988,17.085 ; C59-1.1@118.816,16.527 ccw(c118.375,16.969) 118.988,17.085 ; C59-1.1@118.816,16.527 119.111,16.822 ; C59-2.1@118.855,65.819 ccw(c118.414,66.26) v2@119.027,66.377 ; C59-2.1@118.855,65.819 ccw(c118.414,66.26) v2@119.027,66.377 ; C59-2.1@118.855,65.819 ccw(c118.414,66.26) v2@119.027,66.377 ; C59-2.1@118.855,65.819 119.15,66.114 ; v2@119.023,17.197 ccw(c118.809,17.41) v2@119.111,17.41 ; v2@119.023,17.197 ccw(c118.809,17.41) v2@119.111,17.41 ; v2@119.023,17.197 ccw(c118.809,17.41) v2@119.111,17.41 ; 119.026,17.017 cw(c118.846,16.822) 119.111,16.822 ; 119.026,17.017 cw(c118.846,16.822) 119.111,16.822 ; 119.026,17.017 cw(c118.846,16.822) 119.111,16.822 ; v2@119.062,66.488 ccw(c118.848,66.702) 119.15,66.702 ; v2@119.062,66.488 ccw(c118.848,66.702) 119.15,66.702 ; v2@119.062,66.488 ccw(c118.848,66.702) 119.15,66.702 ; v2@119.065,66.308 cw(c118.885,66.114) 119.15,66.114 ; v2@119.065,66.308 cw(c118.885,66.114) 119.15,66.114 ; v2@119.065,66.308 cw(c118.885,66.114) 119.15,66.114 ; 119.084,16.795 ccw(c118.824,17.054) v2@119.185,17.122 ; 119.084,16.795 ccw(c118.824,17.054) v2@119.185,17.122 ; 119.084,16.795 ccw(c118.824,17.054) v2@119.185,17.122 ; 119.111,16.822 cw(c119.376,16.822) 119.196,17.017 ; 119.111,16.822 cw(c119.376,16.822) 119.196,17.017 ; 119.111,16.822 cw(c119.376,16.822) 119.196,17.017 ; v2@119.111,17.41 ccw(c119.413,17.41) v2@119.199,17.197 ; v2@119.111,17.41 ccw(c119.413,17.41) v2@119.199,17.197 ; v2@119.111,17.41 ccw(c119.413,17.41) v2@119.199,17.197 ; 119.123,66.086 ccw(c118.863,66.346) v2@119.224,66.414 ; 119.123,66.086 ccw(c118.863,66.346) v2@119.224,66.414 ; 119.123,66.086 ccw(c118.863,66.346) v2@119.224,66.414 ; 119.15,66.114 cw(c119.415,66.114) v2@119.235,66.308 ; 119.15,66.114 cw(c119.415,66.114) v2@119.235,66.308 ; 119.15,66.114 cw(c119.415,66.114) v2@119.235,66.308 ; 119.15,66.702 ccw(c119.452,66.702) v2@119.238,66.488 ; 119.15,66.702 ccw(c119.452,66.702) v2@119.238,66.488 ; 119.15,66.702 ccw(c119.452,66.702) v2@119.238,66.488 ; C93-2.2@119.408,75.48 ccw(c119.408,76.192) v2@119.912,75.688 ; C93-2.2@119.408,75.48 ccw(c119.408,76.192) v2@119.912,75.688 ; C93-2.2@119.408,75.48 ccw(c119.408,76.192) v2@119.912,75.688 ; 119.653,75.539 cw(c119.763,75.347) v2@119.915,75.509 ; 119.653,75.539 cw(c119.763,75.347) v2@119.915,75.509 ; 119.653,75.539 cw(c119.763,75.347) v2@119.915,75.509 ; v2@119.873,26.22 cw(c119.659,26.006) 119.961,26.006 ; v2@119.873,26.22 cw(c119.659,26.006) 119.961,26.006 ; v2@119.873,26.22 cw(c119.659,26.006) 119.961,26.006 ; v2@119.912,75.512 cw(c119.698,75.298) 120,75.298 ; v2@119.912,75.512 cw(c119.698,75.298) 120,75.298